# Altium PCB MB1397.PcbDoc (part 10 of 11) (continued)
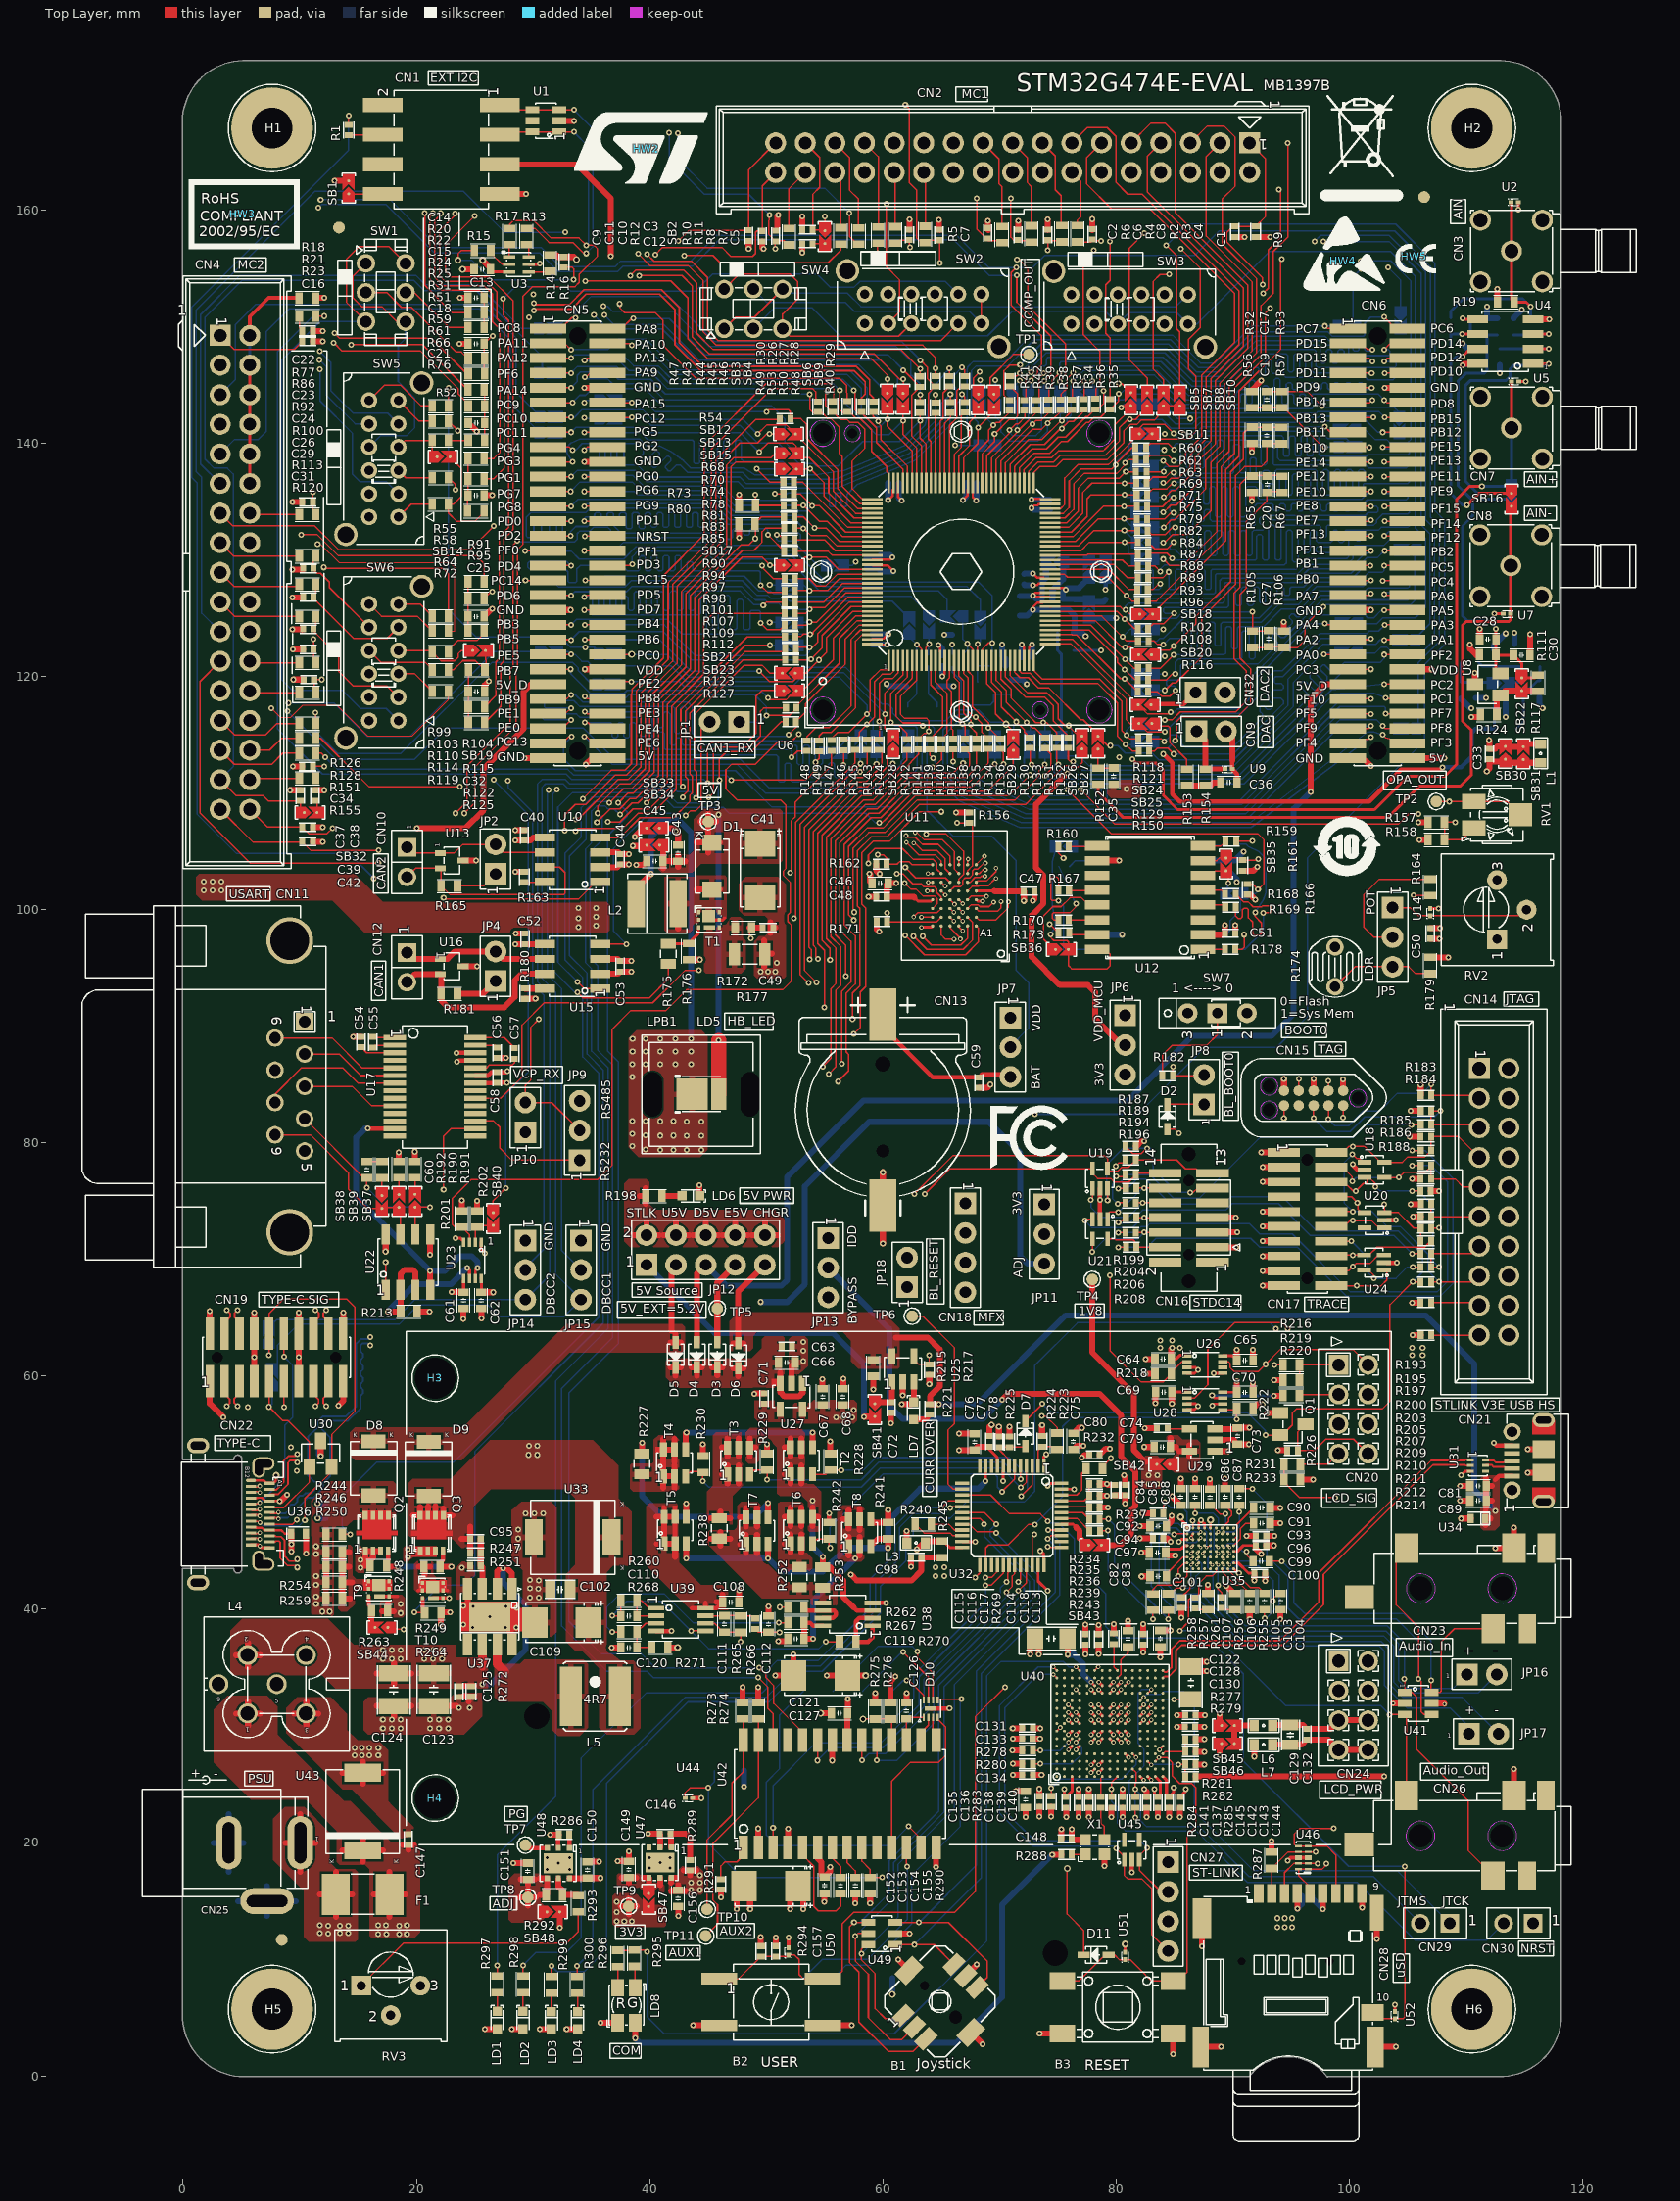
[diagram p0: Top Layer view]
## Nets (pads, with @x,y where several pads share a name; then routed paths per layer and width w, separated by ;. In a path a pad name is that pad's centre, name@x,y a point inside that pad or via, vN(x,y) a via of type N, cw(c..) or ccw(c..) an arc to the next point about the centre after c; other vN are vias at no path point) (continued)
  Bottom Layer w0.254: v1(88.212,58.341) 88.237,58.316 v1(93.52,58.316)
SPI_MOSI_DIR: R222.1 U28.5 U32.26 | length 33.4
  Top Layer w0.127: U32.26@68.806,43.79 68.806,45.26 69.06,45.514 70.711,45.514 72.489,47.292 72.997,47.292 v1(73.022,47.267) ; U28.5@89.152,57.116 90.223,57.114 R222.1@90.331,57.222 v1(90.33,56.284)
  Bottom Layer w0.127: v1(73.022,47.267) 75.41,49.654 75.41,55.674 76.172,56.436 90.178,56.436 v1(90.33,56.284)
SPI_SCK_3V3: CN20.2 CN28.5 U26.7 U46.1 U46.10 | length 64.5
  Top Layer w0.127: U26.7@89.151,61.235 89.611,61.234 89.786,61.059 89.786,60.703 90.117,60.373 92.174,60.373 v1(92.809,61.008) 94.079,62.278 100.279,62.278 CN20.2@101.6,60.96 ; CN28.5@96.623,15.625 96.622,16.175 95.631,17.165 U46.10@95.632,17.699 97.633,17.699 98.016,18.082 v1(98.016,18.209)
  L4_SIG w0.102: v1(92.809,61.008) 95.857,57.96 95.857,49.502 98.016,47.343 v1(98.016,18.209)
STLK_SWCLK: CN27.2 U40.A14 U45.3 | length 33.5
  Top Layer w0.127: v2(74.601,34.405) U40.A14@74.903,34.103 ; v1(82.649,19.53) 81.986,18.867 81.986,17.632 83.844,15.774 CN27.2@84.455,15.774
  Bottom Layer w0.127: v2(74.601,34.405) 73.304,34.404 70.457,31.557 70.457,22.692 73.01,20.14 82.039,20.14 v1(82.649,19.53)
STLK_SWDIO: CN27.4 U40.A15 U45.1 | length 38.2
  Top Layer w0.127: v2(74.601,35.055) U40.A15@74.903,34.753 ; v1(80.007,19.479) 80.686,18.801 80.686,17.186 80.981,16.891 82.192,16.891 83.058,16.025 83.058,12.091 CN27.4@84.455,10.694
  Bottom Layer w0.127: v2(74.601,35.055) 73.307,35.055 70,31.747 70,22.502 72.819,19.682 79.804,19.682 v1(80.007,19.479)
STLK_VCP_RX: R194.2 U40.C10 | length 50.7
  Top Layer w0.127: v2(75.901,31.805) U40.C10@76.203,31.503 ; v1(80.01,77.102) 80.642,77.102 R194.2@80.8,77.261
  L4_SIG w0.102: v2@75.9,31.806 77.086,32.992 77.086,35.227 76.578,35.735 76.578,39.444 77.112,39.977 77.112,51.305 76.045,52.372 76.045,62.532 81.379,67.866 81.379,72.438 80.744,73.073 80.744,76.37 v1(80.01,77.102)
STLK_VCP_TX: R189.1 U40.A7 | length 55.5
  Top Layer w0.127: U40.A7@74.905,29.554 v2(75.207,29.856) ; v1(79.967,78.006) 80.241,78.28 80.551,78.28 R189.1@80.797,78.527
  L4_SIG w0.102: v2@75.202,29.848 75.209,29.855 75.245,29.893 77.086,29.893 77.391,30.198 77.391,35.43 76.909,35.913 76.909,39.218 77.417,39.726 77.417,51.61 76.35,52.677 76.35,62.304 81.76,67.714 81.76,72.565 81.125,73.2 81.125,76.848 v1(79.967,78.006)
T50_4: JP13.1 R227.1 T7.4 | length 43.3
  Top Layer w0.508: R227.1@39.342,53.376 v1(39.342,54.277) ; T7.4@50.15,47.887 v1(50.15,49.083)
  L4_SIG w0.508: v1(39.342,54.277) 39.342,54.68 49.76,65.098 50.442,65.098 53.566,68.222 53.566,70.086 JP13.1@55.304,71.826
  Bottom Layer w0.508: v1(39.342,54.277) 39.342,49.705 41.12,47.927 48.994,47.927 v1(50.15,49.083)
T50_6: R238.1 R252.1 R253.1 T7.1 T7.2 T7.5 T7.6 U38.5 | length 10
  Top Layer w0.508: 45.245,46.038 R238.1@46.073,46.038 ; 46.073,45.433 R238.1@46.073,46.038 ; 46.073,46.639 R238.1@46.073,46.038 ; 46.901,46.038 R238.1@46.073,46.038 ; 47.772,45.585 T7.1@48.25,45.585 ; 47.772,47.887 T7.6@48.25,47.887 ; 48.25,44.808 T7.1@48.25,45.585 ; 48.25,46.365 T7.1@48.25,45.585 ; 48.25,47.107 T7.6@48.25,47.887 ; 48.25,48.664 T7.6@48.25,47.887 ; 49.2,44.808 T7.2@49.2,45.585 49.2,46.365 ; 49.2,47.107 T7.5@49.2,47.885 49.2,48.664
T_JTDI_STDC: CN16.10 R199.1 U19.1 | length 9.5
  Top Layer w0.127: v1(77.823,75.095) 77.823,75.105 77.955,75.237 U19.1@77.956,76.077 ; R199.1@81.684,74.847 v1(82.268,74.846) CN16.10@84.194,74.847
  Bottom Layer w0.127: v1(77.823,75.095) 77.823,74.47 78.674,73.619 81.041,73.619 v1(82.268,74.846)
T_NRST_STDC: CN16.12 R196.1 U21.1 | length 7
  Top Layer w0.127: U21.1@79.263,73.446 79.263,73.878 79.449,74.064 v1(80.185,74.064) ; R196.1@81.723,76.077 81.763,76.116 v1(82.395,76.116) CN16.12@84.194,76.117
  Bottom Layer w0.127: v1(80.185,74.064) 80.211,74.064 82.263,76.116 v1(82.395,76.116)
T_PWR_EN: R217.2 U25.4 U40.R5 | length 61.7
  Top Layer w0.102: U25.4@62.649,61.682 62.649,61.412 63.068,60.993 R217.2@63.98,60.993 63.98,61.755 v1(63.965,61.77)
  Top Layer w0.127: v2(83.702,27.949) U40.R5@84.005,28.251
  L4_SIG w0.102: v1(63.965,61.77) 67.917,57.818 67.917,52.626 67.282,51.991 67.282,45.438 69.619,43.101 69.619,25.321 71.549,23.391 83.005,23.391 84.173,24.559 84.173,27.48 v2@83.703,27.95
T_PWR_EXT: R277.1 R279.2 U40.R4 | length 3.1
  Top Layer w0.127: U40.R4@84.005,27.602 84.181,27.777 R279.2@85.921,27.778 R277.1@85.921,28.851
T_SWCLK_STDC: CN16.6 R206.1 U21.4 | length 8.7
  Top Layer w0.127: v1(77.955,70.655) 77.963,70.66 U21.4@77.963,71.746 ; R206.1@81.7,72.286 81.719,72.306 v1(82.395,72.306) CN16.6@84.194,72.307
  Bottom Layer w0.127: v1(77.955,70.655) 79.047,71.745 81.834,71.745 v1(82.395,72.306)
T_SWDIO_IN: R285.1 U40.N12 | length 14.2
  Top Layer w0.127: v1(81.636,22.146) R285.1@81.636,22.999 ; U40.N12@82.705,32.803 U40.N12@82.747,32.845 ; U40.N12@82.705,32.803 v2(83.007,33.106)
  Bottom Layer w0.127: v1(81.636,22.146) 81.636,23.541 81.125,24.051 81.125,25.321 82.395,26.591 82.395,27.988 81.887,28.496 81.887,32.814 82.179,33.106 v2(83.007,33.106)
T_SWDIO_STDC: CN16.4 R208.1 U21.5 | length 5.5
  Top Layer w0.127: U21.5@79.263,71.746 79.913,71.746 79.98,71.679 81.458,71.679 81.73,71.407 R208.1@81.73,71.036 ; R208.1@81.705,71.029 81.713,71.037 CN16.4@84.194,71.037
T_SWO_STDC: CN16.8 R204.1 U21.3 | length 8.8
  Top Layer w0.127: v1(77.315,73.327) 77.432,73.444 U21.3@77.963,73.446 ; R204.1@81.723,73.577 v1(82.395,73.576) CN16.8@84.194,73.577
  Bottom Layer w0.127: v1(77.315,73.327) 77.912,72.73 81.417,72.73 82.263,73.576 v1(82.395,73.576)
TAMPER_KEY: B2.1 B2.2 C157.2 R141.1 R294.1 U50.1 | length 140.8
  Top Layer w0.127: B2.1@45.964,8.318 47.63,8.316 R294.1@49.53,10.218 51.775,10.216 51.911,10.354 U50.1@51.914,10.356 ; U50.1@51.913,10.353 U50.1@51.914,10.356 ; v1(54.836,86.535) 55.535,87.234 55.535,93.203 55.979,93.647 55.979,96.685 55.156,97.508 55.156,106.202 58.349,109.395 59.185,109.395 62.433,112.644 62.433,112.674 63.043,113.284 R141.1@63.043,113.717 ; v1(70.457,33.322) 67.917,30.782 67.917,15.796 66.139,14.018 57.503,14.018 56.487,13.002 56.487,8.938 55.865,8.316 53.172,8.316 52.804,8.684 52.804,9.975 52.423,10.356 U50.1@51.914,10.356
  L4_SIG w0.102: v1(54.836,86.535) 55.522,86.535 59.129,82.928 59.129,82.045 64.463,76.711 64.463,62.761 68.603,58.621 68.603,52.372 67.968,51.737 67.968,47.114 69.949,45.133 69.949,33.83 v1(70.457,33.322)
TRACECLK: CN17.12 R147.1 U20.1 | length 84.1
  Top Layer w0.127: v1(52.051,103.147) 52.051,103.031 52.128,103.109 52.128,107.603 52.469,107.943 52.469,109.205 55.601,112.337 R147.1@55.601,113.621 ; CN17.12@98.428,72.823 99.543,72.822 100.048,73.327 v1(100.302,73.327) 101.882,73.327 102.502,72.708 U20.1@103.243,72.708
  L4_SIG w0.102: v1(52.051,103.147) 52.051,101.708 51.89,101.547 55.7,97.737 57.96,97.737 59.484,96.213 63.778,96.213 68.476,91.514 68.476,85.011 68.969,84.519 84.463,84.519 86.865,82.116 89.431,82.116 90.574,80.973 93.499,80.973 94.971,79.501 94.971,77.673 99.317,73.327 v1(100.302,73.327)
TRACED0: CN17.14 R145.1 R210.1 U24.5 | length 91.8
  Top Layer w0.127: v1(52.372,99.235) 52.507,99.37 52.507,107.446 57.607,112.547 R145.1@57.607,113.672 ; CN17.14@98.428,71.553 v1(100.173,71.552) ; U24.5@101.511,69.068 101.641,69.068 102.08,68.628 v1(102.08,68.374) ; v1(105.43,69.342) R210.1@106.091,69.342
  L4_SIG w0.102: v1(52.372,99.235) 54.582,97.025 57.681,97.025 59.187,95.519 63.508,95.519 67.854,91.173 67.854,84.77 68.76,83.863 84.254,83.863 86.611,81.506 89.101,81.506 90.523,80.084 93.038,80.084 94.005,79.116 94.005,77.385 99.839,71.552 v1(100.173,71.552)
  Bottom Layer w0.127: v1(100.173,71.552) 101.572,70.152 101.572,68.882 v1(102.08,68.374) 103.985,68.374 104.953,69.342 v1(105.43,69.342)
TRACED1: CN17.16 R144.1 R207.1 U24.4 | length 93.1
  Top Layer w0.127: v1(53.718,95.73) 53.851,95.862 53.851,96.56 53.642,96.768 53.642,106.843 57.719,110.919 58.519,110.919 59.916,112.316 59.916,113.429 R144.1@59.665,113.681 ; CN17.16@98.428,70.283 98.514,70.368 v1(100.302,70.368) 101.684,70.368 102.357,71.041 106.441,71.041 R207.1@106.991,71.59
  L4_SIG w0.102: v1(53.718,95.73) 54.684,96.695 57.503,96.695 59.027,95.171 63.424,95.171 67.549,91.046 67.549,84.643 68.633,83.558 84.127,83.558 86.487,81.201 88.796,81.201 90.294,79.703 92.784,79.703 93.548,78.938 93.548,77.122 v1(100.302,70.368)
TRACED2: CN17.18 SB28.1 U24.3 | length 89.1
  Top Layer w0.127: v1(54.43,95.755) 54.229,95.956 54.229,96.716 54.021,96.925 54.021,106.683 57.876,110.538 58.677,110.538 60.373,112.235 60.373,113.238 SB28.1@60.858,113.724 ; CN17.18@98.428,69.013 99.924,69.012 v1(100.289,69.378) 100.556,69.644 101.754,69.644 102.478,70.368 U24.3@103.21,70.368
  L4_SIG w0.102: v1(54.43,95.755) 55.065,96.39 57.325,96.39 58.849,94.866 63.297,94.866 67.231,90.932 67.231,84.529 68.506,83.254 84.003,83.254 86.36,80.896 88.638,80.896 91.463,78.072 91.463,75.888 91.712,75.639 94.028,75.639 v1(100.289,69.378)
TRACED3: CN17.20 R142.1 U24.1 | length 89.7
  Top Layer w0.127: v1(55.458,95.692) 55.458,96.665 54.778,97.346 54.778,106.363 58.191,109.776 59.027,109.776 62.052,112.801 R142.1@62.052,113.705 ; CN17.20@98.428,67.743 v1(100.607,67.742) 102.718,67.742 103.21,68.237 U24.1@103.21,69.068
  L4_SIG w0.102: v1(55.458,95.692) 55.801,96.035 57.249,96.035 58.722,94.562 63.17,94.562 66.807,90.925 66.807,84.522 68.38,82.949 83.876,82.949 86.233,80.592 88.44,80.592 91.107,77.925 91.107,75.74 91.564,75.283 93.066,75.283 v1(100.607,67.742)
USART1_RX: JP9.2 JP10.2 SB3.1 | length 123.1
  Top Layer w0.127: v1(30.477,90.574) 29.817,89.913 29.817,85.392 29.337,84.912 JP10.2@29.337,83.439 31.605,83.439 JP9.2@33.995,81.05 ; v1(34.465,153.896) 41.806,153.896 43.279,152.423 43.279,148.923 44.961,147.241 58.976,147.241 60.394,145.824 v1(60.394,145.479) SB3.1@60.394,144.247
  L4_SIG w0.102: v1(30.477,90.574) 24.127,90.574 22.832,91.869 22.832,101.775 22.502,102.105 22.502,134.287 21.791,134.998 21.791,141.679 28.694,148.582 29.505,148.582 31.57,150.645 31.57,152.042 32.828,153.3 33.869,153.3 v1(34.465,153.896)
USART1_TX: CN16.14 R194.1 SB4.1 SB40.1 U19.5 | length 181.8
  Top Layer w0.127: SB40.1@26.579,74.012 26.579,75.042 v1(27.658,76.121) ; v1(39.088,154.353) 42.771,154.353 43.66,153.464 43.66,149.08 45.118,147.622 59.281,147.622 61.438,145.466 v1(61.74,145.466) SB4.1@61.74,144.234 ; v1(63.599,75.613) 65.763,77.777 U19.5@77.956,77.777 77.955,77.386 78.407,76.934 79.55,76.934 79.855,76.629 81.069,76.629 81.826,77.386 CN16.14@84.194,77.387
  L4_SIG w0.102: v1(26.612,111.122) 26.388,111.122 25.27,112.24 25.27,139.164 32.586,146.479 37.31,146.479 39.774,148.943 39.774,153.667 v1(39.088,154.353) ; v1(27.658,76.121) 28.674,75.105 63.091,75.105 v1(63.599,75.613)
  Bottom Layer w0.127: v1(26.612,111.122) 29.588,108.146 29.588,86.053 27.658,84.122 v1(27.658,76.121)
USART1_TX_3V3: U17.13 U22.4 U23.7 | length 25.6
  Top Layer w0.229: U23.7@25.051,68.372 25.049,69.068 v1(25.245,69.263)
  Top Layer w0.381: v1(15.847,81.211) U17.13@18.14,81.213
  Top Layer w0.508: U22.4@21.177,67.391 v1(21.176,69.004)
  Bottom Layer w0.508: v1(15.847,81.211) 15.593,81.211 14.831,80.449 14.831,75.352 v1(21.176,69.004) 22.446,69.004 23.721,70.279 24.737,70.279 25.245,69.771 v1(25.245,69.263)
USB_DEV_HS_CN_N: CN21.2 U31.5 | length 2.4
  Top Layer w0.155: U31.5@111.654,52.316 U31.5@111.654,52.316 111.722,52.382 112.197,52.382 112.377,52.205 113.297,52.205 113.431,52.07 CN21.2@113.938,52.071
USB_DEV_HS_CN_P: CN21.3 U31.6 | length 2.4
  Top Layer w0.155: U31.6@111.654,52.816 111.704,52.763 112.357,52.763 112.535,52.586 113.215,52.586 113.35,52.72 CN21.3@113.938,52.721
USB_DEV_HS_N: U31.2 U40.R14 | length 36.4
  Top Layer w0.155: U40.R14@84.005,34.103 84.139,34.237 84.511,34.237 85.115,34.841 85.115,36.423 85.614,36.922 94.286,36.922 97.765,40.4 97.765,42.977 107.163,52.376 109.917,52.376 109.976,52.316 U31.2@110.354,52.316
USB_DEV_HS_P: U31.1 U40.R15 | length 36.3
  Top Layer w0.155: U40.R15@84.005,34.753 84.139,34.618 84.353,34.618 84.734,34.999 84.734,36.581 85.456,37.303 94.068,37.303 97.384,40.619 97.384,43.135 107.006,52.757 109.917,52.757 109.976,52.816 U31.1@110.354,52.816
USB_DM: CN22.A7 CN22.B7 R46.1 U55.3 U55.4 | length 168.3
  Top Layer w0.155: CN22.B7@5.814,48.532 CN22.B7@5.816,48.534 5.875,48.473 6.477,48.473 v2(6.566,48.562) ; CN22.A7@7.414,47.782 7.475,47.843 8.077,47.843 v2(8.166,47.755) ; v1(30.071,152.004) 30.211,151.864 33.111,151.864 34.394,153.147 40.993,153.147 42.55,151.59 42.55,148.575 44.541,146.583 57.689,146.583 58.864,145.408 58.864,144.198 59.181,143.882 R46.1@59.181,143.549
  L4_SIG w0.13: v2(6.566,48.562) 6.744,48.74 8.359,48.74 8.588,48.511 8.588,48.136 8.207,47.755 v2(8.166,47.755) ; v1@16.038,62.647 15.898,62.786 15.339,62.786 14.577,63.548 14.577,67.582 13.434,68.725 13.434,112.794 11.91,114.318 11.91,116.157 13.18,117.427 13.18,129.558 12.037,130.701 12.037,133.683 13.307,134.953 13.307,144.605 17.391,148.689 19.931,148.689 23.106,151.864 29.931,151.864 v1(30.071,152.004)
  Bottom Layer w0.155: v2(8.166,47.755) 8.255,47.843 8.956,47.843 10.668,49.555 11.156,49.555 11.986,50.386 11.986,50.797 12.606,51.417 12.606,54.724 11.91,55.42 11.91,55.931 12.139,56.159 14.128,56.159 15.212,57.244 15.212,58.308 15.415,58.511 15.415,58.821 15.212,59.025 15.212,59.334 15.415,59.538 15.415,59.847 15.212,60.051 15.212,60.361 15.415,60.564 15.415,60.874 15.212,61.077 15.212,61.387 15.415,61.59 15.415,61.9 15.212,62.103 15.212,62.629 15.37,62.786 15.872,62.786 v1(16.038,62.621)
USB_DP: CN22.A6 CN22.B6 R45.1 U55.1 U55.6 | length 168.6
  Top Layer w0.155: CN22.B6@5.814,48.034 CN22.B6@5.816,48.034 5.875,48.092 6.477,48.092 v2(6.566,48.003) ; CN22.A6@7.415,48.282 7.475,48.224 8.077,48.224 v2(8.166,48.313) ; v1(30.071,151.343) 30.211,151.483 33.269,151.483 34.552,152.766 40.836,152.766 42.169,151.432 42.169,148.417 44.383,146.202 57.531,146.202 58.483,145.25 58.483,144.198 58.166,143.882 R45.1@58.166,143.549
  L4_SIG w0.13: v2(6.566,48.003) 6.652,48.003 6.949,48.301 7.107,48.301 7.236,48.171 7.236,47.6 7.366,47.47 7.617,47.47 7.722,47.574 7.722,48.209 7.871,48.359 8.12,48.359 v2(8.166,48.313) ; v1@16.038,63.307 15.898,63.167 15.497,63.167 14.958,63.706 14.958,64.038 15.187,64.267 15.187,64.526 14.958,64.755 14.958,65.014 15.187,65.242 15.187,65.502 14.958,65.73 14.958,65.989 15.187,66.218 15.187,66.477 14.958,66.705 14.958,67.739 13.815,68.882 13.815,112.951 12.291,114.475 12.291,115.999 13.561,117.269 13.561,129.715 12.418,130.858 12.418,133.525 13.688,134.795 13.688,144.447 14.074,144.833 14.404,144.833 14.587,145.016 14.587,145.346 14.77,145.532 15.1,145.532 15.286,145.715 15.286,146.045 15.469,146.228 15.799,146.228 15.982,146.411 15.982,146.741 17.549,148.308 20.089,148.308 23.264,151.483 23.757,151.483 23.96,151.28 24.219,151.28 24.422,151.483 24.681,151.483 24.884,151.28 25.143,151.28 25.347,151.483 25.606,151.483 25.809,151.28 26.068,151.28 26.271,151.483 26.53,151.483 26.733,151.28 26.993,151.28 27.196,151.483 29.931,151.483 v1(30.071,151.343)
  Bottom Layer w0.155: v2(8.166,48.313) 8.255,48.224 8.796,48.224 9.035,48.463 9.035,48.76 9.256,48.981 9.549,48.981 9.774,49.203 9.774,49.5 9.992,49.718 10.246,49.718 10.465,49.936 10.998,49.936 11.605,50.543 11.605,50.795 11.45,50.95 11.224,50.95 10.706,51.468 U55.1@10.706,54.724 ; U55.1@10.706,54.411 10.706,54.778 11.529,55.601 11.529,56.089 11.981,56.54 13.97,56.54 14.831,57.401 14.831,62.787 15.212,63.167 15.872,63.167 v1(16.038,63.332)
uSD_CS: CN28.2 R135.2 R287.1 U46.4 U46.7 | length 141.9
  Top Layer w0.127: v1(56.805,94.282) 56.805,96.937 55.913,97.828 55.913,105.88 58.666,108.633 59.501,108.633 62.168,111.3 67.13,111.3 68.016,112.187 R135.2@68.016,113.765 ; CN28.2@93.323,15.625 R287.1@93.323,17.776 94.745,19.197 v1(97.099,19.197)
  L4_SIG w0.102: v1(56.805,94.282) 57.973,93.114 62.725,93.114 65.352,90.488 65.352,84.148 68.095,81.404 77.163,81.404 77.793,82.034 83.053,82.034 84.529,80.559 84.529,80.388 85.037,79.88 87.653,79.88 88.034,79.499 88.034,61.973 89.507,60.5 91.666,60.5 92.682,59.484 92.682,58.214 95.095,55.801 95.095,49.187 97.254,47.028 97.254,19.352 v1(97.099,19.197)
uSD_Detect: CN28.10 U32.15 U52.1 | length 74.3
  Top Layer w0.127: U32.15@66.807,49.792 69.228,49.792 70.838,48.181 73.505,48.181 v1(74.14,47.546) ; CN28.10@101.973,5.425 102.502,4.895 U52.1@103.886,4.895 ; U52.1@103.886,4.892 U52.1@103.886,4.895 ; v1(104.747,17.955) 104.747,5.039 104.6,4.895 U52.1@103.886,4.895
  Bottom Layer w0.127: v1(74.14,47.546) 74.267,47.419 75.029,47.419 76.426,46.022 76.426,43.99 79.093,41.323 79.093,38.529 80.109,37.513 87.856,37.513 90.904,34.465 90.904,26.972 99.921,17.955 v1(104.747,17.955)
VBUS: CN19.7 CN19.8 CN19.13 CN19.14 CN22.A4 CN22.A9 CN22.B4 CN22.B9 D8.1 Q2.5 Q2.6 Q2.7 Q2.8 R244.2 R246.2 R250.2 R254.2 R259.2 U36.1 | length 23
  Top Layer w0.203: CN22.B4@5.814,47.033 6.251,47.033 6.286,46.998 6.744,46.998 6.957,46.782 7.414,46.782 7.417,46.784 8.411,46.784 8.713,46.482 U36.1@9.281,46.482 ; CN22.B9@5.816,49.534 6.358,49.533 6.388,49.563 6.746,49.563 6.774,49.533 6.784,49.533 6.888,49.428 6.916,49.428 7.061,49.284 v1(8.268,49.284) v1@8.377,49.284
  Top Layer w0.508: CN19.7@6.096,59.56 CN19.7@6.096,59.56 v1(6.096,61.615) CN19.8@6.096,63.63 v1(6.096,65.453) ; v1@8.377,49.284 v1(8.9,49.807) ; v1(9.281,44.955) v1(9.281,45.593) U36.1@9.281,46.482 ; CN19.13@9.906,59.56 CN19.13@9.906,59.56 v1(9.906,61.615) CN19.14@9.906,63.63 v1(9.906,65.453) ; R254.2@12.254,42.306 R250.2@12.254,43.634 R246.2@12.254,44.904
  other v1: 11.91,39.799 12.545,39.799 11.402,40.434 11.402,41.069 11.402,42.085 11.402,42.847 11.402,44.752 11.402,45.387
VCP_RX_STDC: CN16.13 JP10.1 R189.2 U19.4 | length 66
  Top Layer w0.127: v1(62.71,75.613) 66.012,78.915 78.966,78.915 79.256,78.626 U19.4@79.256,77.777 79.484,77.546 80.137,77.546 80.49,77.899 81.069,77.899 R189.2@81.697,78.527 85.197,78.527 85.951,77.772 86.84,77.772 87.226,77.386 CN16.13@88.258,77.387
  L4_SIG w0.102: JP10.1@29.337,80.899 29.337,78.125 31.849,75.613 v1(62.71,75.613)
VDD: C13.1 C40.1 C46.2 C47.1 C48.1 C50.1 C51.2 C52.1 C61.1 C64.1 C69.1 C75.2 C80.2 C82.1 C83.2 C92.2 C94.1 C98.2 C121.1 C127.2 C184.2 CN1.5 CN5.48 CN6.48 CN14.1 CN14.2 CN15.1 CN16.3 CN17.1 CN18.1 JP7.1 JP11.2 Q1.1 R14.2 R16.2 R73.2 R80.2 R158.2 R161.1 R166.1 R171.2 R179.2 R183.2 R184.2 R186.2 R197.2 R200.2 R201.2 R202.2 R218.2 R222.2 R225.2 R228.2 R235.1 R237.1 R245.2 R261.1 R273.2 R274.2 R275.2 R282.2 R290.2 R291.2 R294.2 RV2.1 SW7.2 T5.4 U3.3 U10.5 U11.A6 U11.D6 U11.E1 U12.2 U15.5 U23.1 U23.5 U26.1 U26.5 U28.1 U35.D2 U42.21 U54.2 | length 128.2
  Top Layer w0.229: v4(86.451,45.34) 86.452,45.34 U35.D2@86.577,45.466
  Top Layer w0.254: U23.1@25.551,71.472 25.55,70.863 v1(25.88,70.533) ; C13.1@26.351,154.897 26.577,154.671 U3.3@27.932,154.671 ; 62.71,101.013 63.015,100.708 64.125,100.708 U11.D6@64.249,100.835 U11.D6@64.249,100.835 ; v2(63.294,98.473) 64.14,98.473 U11.A6@64.249,98.585 ; U11.E1@67.999,101.585 68.026,101.613 69.555,101.613 ; C64.1@84.721,61.464 85.136,61.463 85.443,61.77 86.015,61.77 U26.1@86.051,61.735 ; C69.1@84.771,58.619 86.048,58.618 U28.1@86.052,58.616 U28.1@86.052,58.616 ; U28.1@86.052,58.616 U28.1@86.053,58.616 ; v1(88.364,60.234) U26.5@89.151,60.235
  Top Layer w0.305: C61.1@24.039,67.187 24.051,67.198 U23.5@24.051,68.123
  Top Layer w0.508: v1(23.005,67.186) C61.1@24.039,67.187 ; R201.2@23.896,74.165 v1(23.896,75.057) ; R202.2@25.199,74.165 v1(25.199,75.024) ; v5(25.679,155.677) 26.351,155.005 C13.1@26.351,154.897 ; CN1.5@27.135,163.889 33.744,163.888 36.675,160.957 v1(36.675,156.004) ; v1(28.473,105.913) 29.764,105.913 30.02,106.169 U10.5@31.011,106.171 ; v1(28.478,97.008) 29.309,97.008 29.329,97.028 U15.5@31.011,97.029 ; R14.2@31.445,156.123 32.03,156.123 32.193,155.96 R16.2@32.639,155.96 33.491,155.96 v5(33.723,155.727) ; v1(34.44,120.599) CN5.48@36.385,120.601 ; T5.4@43.134,47.912 v1(43.134,49.07) ; v1(46.104,15.288) R291.2@46.103,15.952 ; v1(47.658,131.874) R80.2@47.658,133.144 ; R73.2@47.658,134.668 v1(47.658,135.557) ; R273.2@47.974,32.012 v1(47.973,33.317) ; R274.2@49.313,32.012 49.314,32.012 v1(49.314,33.322) ; R294.2@49.53,11.118 v1(49.53,11.887) ; v1(55.178,34.313) C121.1@56.936,34.313 v5(58.529,34.313) ; R228.2@55.491,53.327 v1(55.491,54.384) ; U42.21@56.933,28.765 56.934,28.763 56.934,31.044 C127.2@56.975,31.087 ; v1(56.975,32.306) C127.2@56.975,31.087 ; C127.2@56.977,31.088 C127.2@56.975,31.087 ; v1(57.249,42.974) 57.757,42.466 62.456,42.466 63.307,43.317 C98.2@63.308,44.455 R245.2@64.976,44.455 ; v1(58.9,14.808) R290.2@58.9,15.599 R290.2@58.9,15.603 ; R275.2@59.336,31.987 v1(59.337,32.814) ; R171.2@59.467,98.982 59.466,98.288 v1(59.662,98.092) ; C48.1@60.326,101.088 C48.1@60.328,101.087 ; C46.2@60.455,102.255 C46.2@60.455,102.258 ; C46.2@60.457,102.256 C46.2@60.328,102.126 ; v1(61.161,102.258) C46.2@60.455,102.258 ; 62.71,101.013 62.636,101.087 C48.1@60.328,101.087 ; 69.555,101.613 69.596,101.572 72.085,101.572 v1(72.085,100.736) ; R225.2@70.845,54.803 v1(70.846,55.667) ; C75.2@76.313,53.695 76.642,54.023 v1(77.188,54.023) ; v1(77.061,53.007) 77.29,53.236 C80.2@77.679,53.238 ; R235.1@78.588,49.725 78.588,49.726 v1(79.2,49.726) ; C82.1@79.855,49.764 80.744,49.764 v1(80.744,49.07) ; v1(82.245,48.205) 83.128,48.205 R237.1@83.147,48.225 ; v1(82.522,60.193) R218.2@83.321,60.194 ; C94.1@84.047,46.077 84.379,46.076 v1(84.658,45.796) ; C92.2@84.297,47.119 84.757,47.579 v1(84.757,48.003) ; C64.1@84.721,61.464 84.719,62.316 v1(84.808,62.405) ; v1(84.77,57.643) C69.1@84.771,58.619 ; v1(85.57,39.291) R261.1@85.57,40.112 ; R282.2@86.821,25.656 v1(102.969,25.654) ; U12.2@87.454,97.839 89.182,97.838 C51.2@89.312,97.966 v1(89.311,98.671) ; CN16.3@88.258,71.037 90.273,71.037 v1(90.274,71.036) ; R161.1@90.839,103.333 90.838,103.335 91.775,103.335 v1(92.098,103.655) ; R166.1@91.26,101.278 91.498,101.277 v1(91.945,100.833) ; R222.2@91.731,57.222 92.088,57.579 v1(92.555,57.579) ; v1(92.426,79.172) CN17.1@94.358,79.173 ; v1(92.936,56.83) Q1.1@94.023,56.83 ; CN15.1@99.464,84.463 v1(99.464,85.443) ; CN6.48@104.965,120.601 v1(107.058,120.599) ; v1(105.176,80.518) R186.2@106.091,80.518 ; v1(105.255,74.724) R200.2@106.075,74.724 ; v1(105.255,82.725) R184.2@106.075,82.725 ; v1(106.002,105.982) R158.2@106.742,105.983 ; R183.2@106.103,84.074 v1(106.103,84.971) ; R179.2@106.934,95.902 v1(108.463,95.9) ; C50.1@106.934,97.498 v1(107.709,97.498) ; R197.2@106.975,75.867 R197.2@106.978,75.867 v1(107.668,75.867) ; C48.1@60.328,101.087 C46.2@60.328,102.126 ; C46.2@60.328,102.126 60.328,102.128 C46.2@60.455,102.258
  Bottom Layer w0.508: U54.2@87.454,104.189 87.475,104.211 C184.2@89.644,104.211 ; C184.2@89.645,104.21 C184.2@89.644,104.211 ; v1(90.904,104.95) 90.165,104.211 C184.2@89.644,104.211
  other v1: 105.382,61.77 106.271,61.77 83.792,62.405 85.443,62.405 105.382,62.405 106.271,62.405 83.792,63.04 84.808,63.04
VDD1: JP13.3 L3.1 R245.1 T2.4 T4.4 U32.1 U32.24 U32.36 U32.48 | length 25
  Top Layer w0.229: 74.336,50.79 U32.48@75.307,50.792
  Top Layer w0.254: R245.1@64.996,45.832 65.187,45.832 65.728,45.291 U32.24@66.807,45.292 ; v1(73.505,45.006) 73.805,44.707 73.805,43.792 U32.36@73.807,43.79 ; U32.1@73.807,52.292 73.805,52.291 73.805,53.073 v1(74.013,53.282) ; v1(74.14,50.594) 74.336,50.79
  Top Layer w0.508: T4.4@43.076,53.691 43.076,55.09 v1(43.152,55.166) ; v1(53.947,55.166) 53.957,55.156 T2.4@53.957,53.871 ; v1(62.908,45.133) 63.466,45.691 L3.1@63.637,45.691 63.777,45.832 R245.1@64.996,45.832
  L4_SIG w0.508: 54.201,66.746 JP13.3@55.304,66.746 ; 55.303,65.641 JP13.3@55.304,66.746 ; 56.408,66.746 JP13.3@55.304,66.746
  Bottom Layer w0.508: v1(43.152,55.166) v1(53.947,55.166)
  other v1: 64.488,42.847 65.25,42.847 64.488,43.609 65.25,43.609
VDD_ADJ: JP11.3 SB48.2 | length 108.4
  Top Layer w0.508: v1(32.286,12.677) SB48.2@32.287,14.05
  L4_SIG w0.508: v1(32.286,12.677) 34.696,15.088 34.696,26.693 38.1,30.097 38.1,55.603 48.839,66.342 v1(49.502,66.342)
  Bottom Layer w0.508: v1(49.502,66.342) 51.788,66.342 53.312,67.866 53.312,76.274 58.834,81.795 69.078,81.795 71.776,79.097 71.776,70.259 72.413,69.622 JP11.3@73.83,69.622
VDD_MCU: C160.2 C161.2 C162.2 C163.1 C164.2 C165.2 C173.2 C175.2 C176.2 JP6.1 JP13.2 SB43.2 U6.13 U6.31 U6.47 U6.64 U6.79 U6.95 U6.111 U6.128 | length 69.8
  Top Layer w0.203: U6.111@59.083,129.566 59.137,129.511 60.405,129.511 v1(60.909,129.007) ; U6.128@59.083,122.766 59.134,122.715 v1(60.368,122.715) ; v1@60.454,135.097 60.848,135.491 U6.95@60.848,135.966 ; v1(65.1,120.002) 65.301,120.203 U6.13@65.301,120.929 ; v1(66.853,135.098) 67.246,135.491 U6.79@67.246,135.966 ; U6.31@72.528,122.149 72.528,122.475 v1(72.789,122.735) ; v1(72.743,135.166) 72.796,135.219 U6.64@73.49,135.219 ; v1(72.87,128.816) 73.246,128.44 U6.47@73.762,128.44
  Top Layer w0.508: v1(70.203,57.96) 70.711,58.468 78.585,58.468 80.422,56.631 80.422,53.075 81.633,51.864 81.633,48.842 81.252,48.461 81.252,46.403 80.35,45.502 SB43.2@78.74,45.502
  Bottom Layer w0.457: v1(72.743,135.166) C162.2@74.323,135.166
  Bottom Layer w0.508: JP13.2@55.304,69.286 60.551,64.038 60.551,57.452 61.694,56.309 68.552,56.309 v1(70.203,57.96) ; C164.2@58.603,129.216 59.593,129.215 C163.1@59.817,128.992 60.894,128.991 v1(60.909,129.007) ; C173.2@59.083,122.716 v1(60.368,122.715) ; v1(60.452,135.098) C160.2@60.453,136.586 ; v1(65.1,120.002) C175.2@65.1,120.886 ; v1(66.853,135.098) 67.153,135.397 C161.2@67.153,136.566 ; C165.2@72.108,128.77 72.154,128.816 v1(72.87,128.816) ; C176.2@72.789,121.638 v1(72.789,122.735)
VDDA: C167.1 C170.2 L9.2 SB85.1 SB90.2 U6.45 | length 8.8
  Top Layer w0.203: U6.45@74.323,127.566 75.529,127.564 v1(75.664,127.429)
  Bottom Layer w0.508: C170.2@75.41,126.609 C170.2@75.413,126.609 ; SB90.2@77.696,126.38 SB90.2@77.696,126.378 ; SB85.1@77.696,128.58 77.696,128.445 76.807,127.556 75.791,127.556 v1(75.664,127.429) 75.413,127.178 C170.2@75.413,126.609 ; L9.2@79.093,126.578 79.036,126.52 78.895,126.378 SB90.2@77.696,126.378 ; C170.2@75.413,126.609 76.421,126.609 76.426,126.604 77.346,126.604 77.569,126.378 SB90.2@77.696,126.378
VIN_EXT: C123.2 C124.2 C125.2 L4.2 R272.2 U37.1 U37.2 U37.6 | length 34.4
  Top Layer w0.508: 4.536,36.063 L4.2@5.565,36.063 ; 5.565,35.034 L4.2@5.565,36.063 ; 5.565,37.092 L4.2@5.565,36.063 ; 6.594,36.063 L4.2@5.565,36.063 ; 16.604,34.501 C124.2@18.082,34.501 ; 18.082,33.622 C124.2@18.082,34.501 ; 18.082,35.38 C124.2@18.082,34.501 ; 19.561,34.501 C124.2@18.082,34.501 ; C123.2@20.46,34.501 C123.2@21.938,34.501 ; 24.026,33.434 R272.2@24.943,33.434 ; U37.2@26.924,41.736 26.924,43.253 27.196,43.525 v1(27.432,43.525) 27.745,43.525 28.194,43.076 U37.1@28.194,41.736
  Top Layer w0.762: 25.654,35.111 U37.6@25.654,36.986 U37.6@25.654,36.995
  L4_SIG w0.508: 4.536,36.063 L4.2@5.565,36.063 ; 5.565,35.034 L4.2@5.565,36.063 ; 5.565,37.092 L4.2@5.565,36.063 ; 6.594,36.063 L4.2@5.565,36.063
  Bottom Layer w0.508: v1(25.668,33.576) 26.396,33.576 29.359,36.539 29.359,40.366 27.432,42.293 v1(27.432,43.525)
  other v1: 17.117,35.735 17.879,35.735 18.641,35.735 20.673,35.735 21.435,35.735 22.197,35.735 17.117,36.497 17.879,36.497 18.641,36.497 20.673,36.497 21.435,36.497 22.236,36.497
VIN_EXT_CONN: CN25.1 F1.1 | length 21.6
  Top Layer w0.508: 8.771,19.975 CN25.1@10.051,19.975 ; 10.051,17.498 CN25.1@10.051,19.975 ; 10.051,22.454 CN25.1@10.051,19.975 ; 11.328,19.975 CN25.1@10.051,19.975 ; 11.717,15.552 F1.1@13.097,15.554 ; 13.096,13.625 F1.1@13.097,15.554 ; 13.096,17.48 F1.1@13.097,15.554 ; 14.475,15.552 F1.1@13.097,15.554
  L4_SIG w0.508: 8.771,19.975 CN25.1@10.051,19.975 ; 10.051,17.498 CN25.1@10.051,19.975 ; 10.051,22.454 CN25.1@10.051,19.975 ; 11.328,19.975 CN25.1@10.051,19.975
  other v1: 12.443,12.189 13.459,12.215 14.171,12.215 11.732,12.24 12.443,12.85 13.459,12.875 14.171,12.875 11.732,12.901